# Allegro board FEE5_10_30.brd (continued)
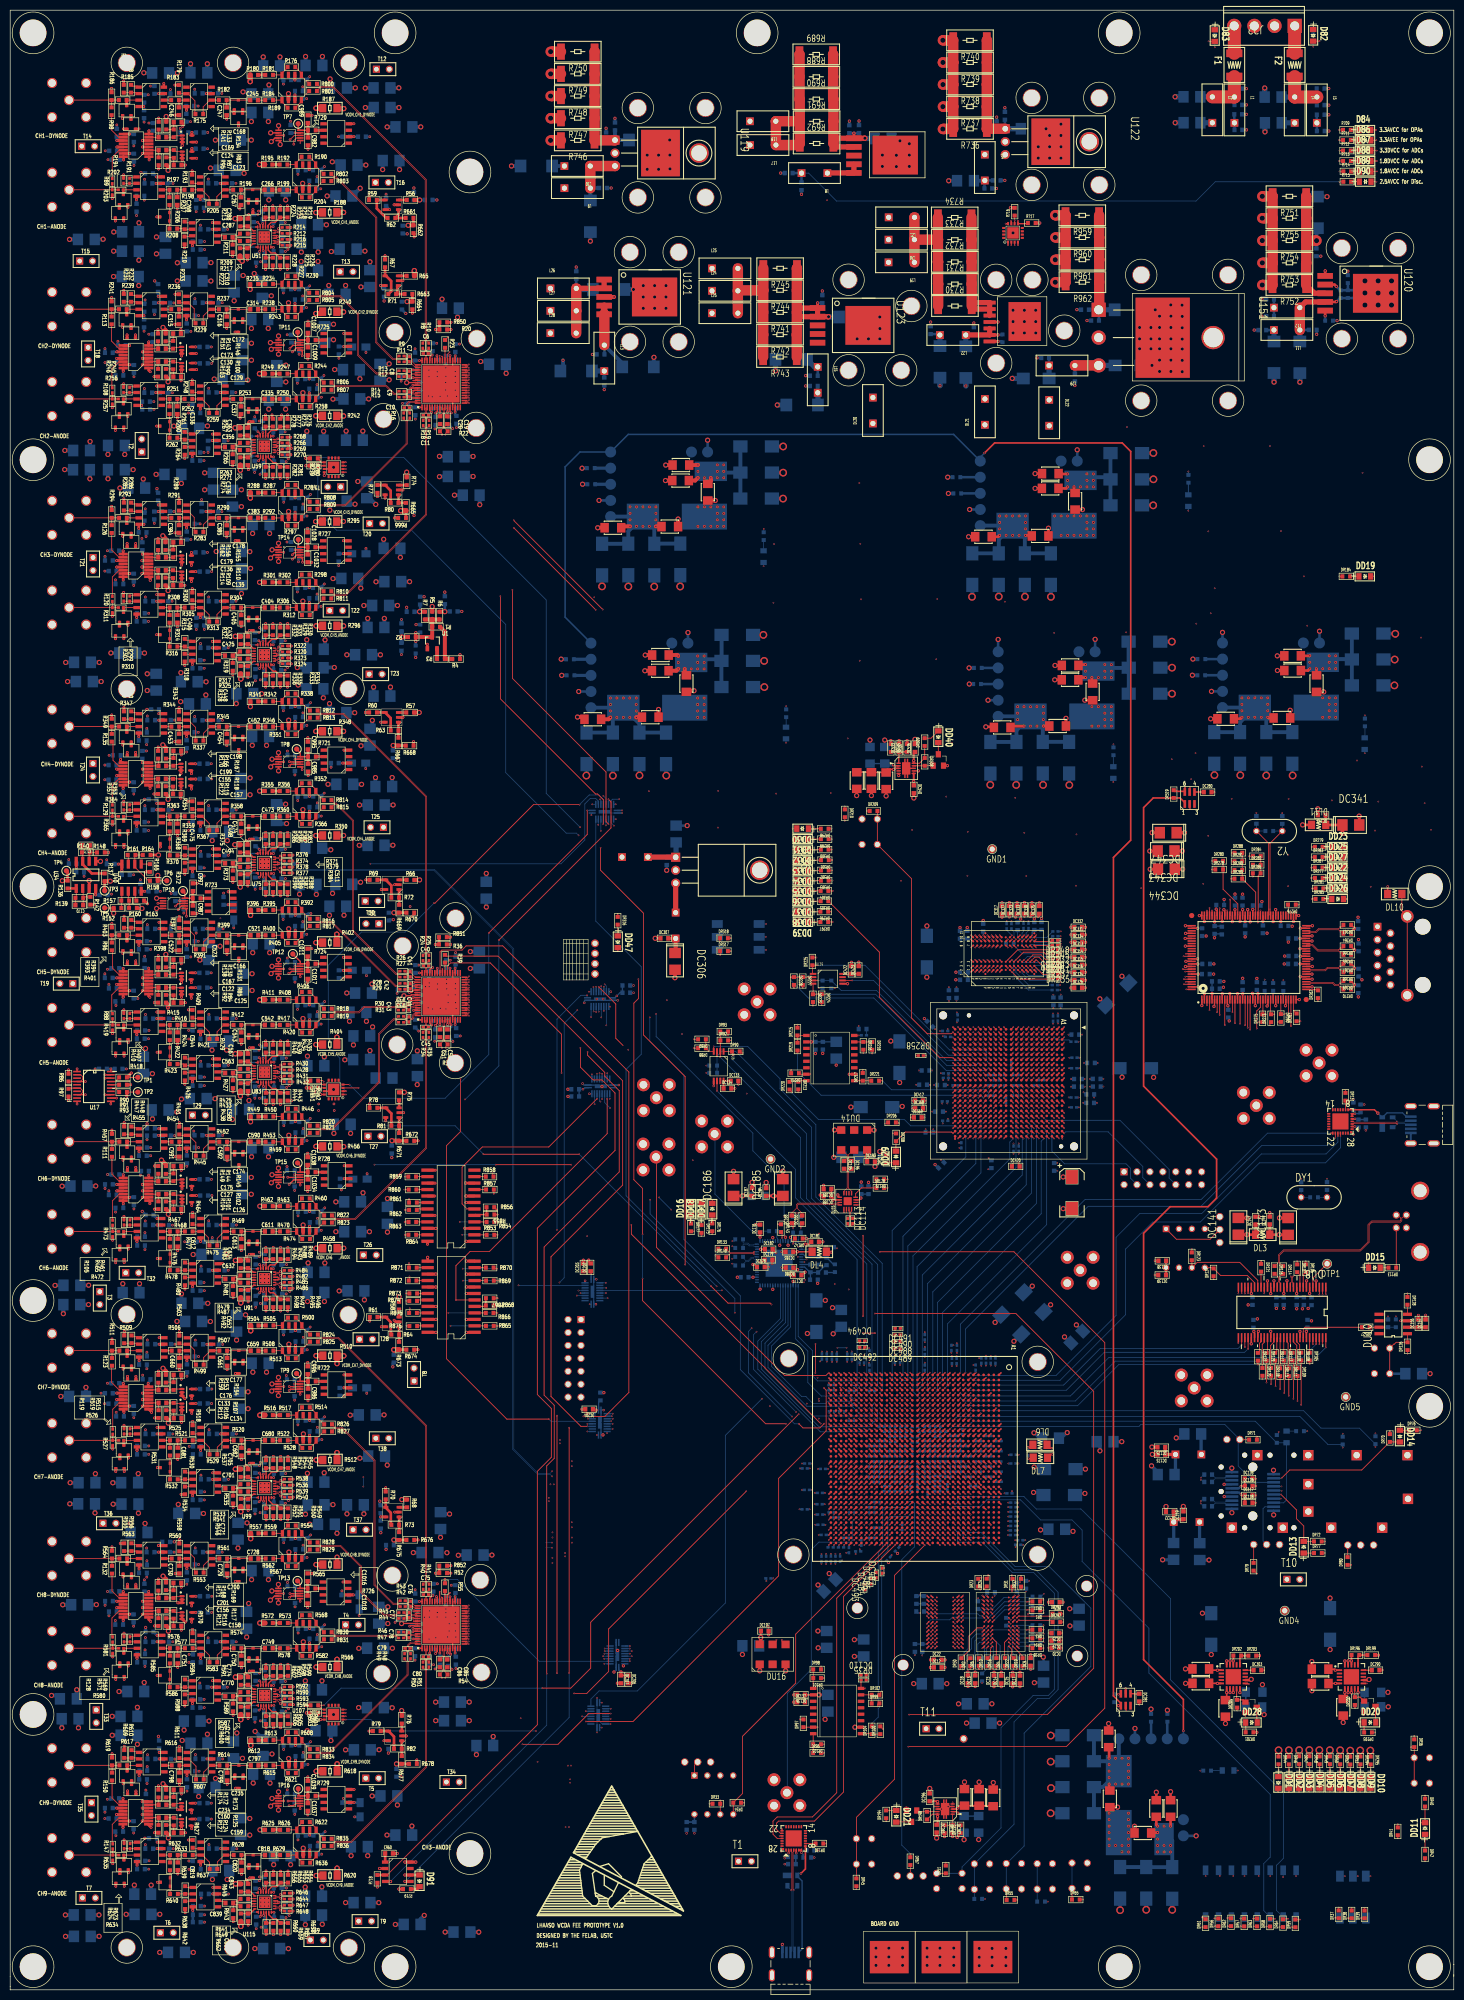
[diagram p0: board, top side]
## Routing (per net, layer and track width the routed paths; a pad name or vN(x,y) marks a point on that pad's centre or on a via; arc(x,y) is an arc through that point) (continued)
PULSE_DYNODE_CH1: length 3.4
  TOP w0.152: U18.7 29.13,363.77 C169.2 29.15,365.27 R141.2
PULSE_DYNODE_CH2: length 3.3
  TOP w0.152: R151.2 29.06,323.68 C173.1 27.23,322.26 U22.7
PULSE_DYNODE_CH3: length 3.3
  TOP w0.152: U28.7 27.23,281.29 C179.1 29.08,282.71 R162.2
PULSE_DYNODE_CH4: length 3.4
  TOP w0.152: U30.7 27.22,240.34 C199.1 29.12,241.69 R170.2
PULSE_DYNODE_CH5: length 3.3
  TOP w0.152: U14.7 27.23,199.35 C167.1 29.09,200.77 R138.2
PULSE_DYNODE_CH6: length 3.3
  TOP w0.152: R149.2 29.08,160.22 C175.1 29.08,158.78 U23.7
PULSE_DYNODE_CH7: length 3.3
  TOP w0.152: 29.12,117.81 C176.1 ; 29.12,117.81 29.11,117.81 R159.2 ; 29.12,117.81 U26.7
PULSE_DYNODE_CH8: length 3.4
  TOP w0.152: U31.7 29.14,76.94 C201.1 29.14,78.35 R171.2
PULSE_DYNODE_CH9: length 3.4
  TOP w0.152: R174.2 29.15,37.75 C234.1 27.19,36.33 U36.7
REFB_ADC1: length 5.4
  TOP w0.254: v3(79.1,315.07) 79.11,315.08 U2.57
  BOTTOM w0.254: v3(79.1,315.07) 79.12,315.09 79.81,315.09 C13.1 81.78,315.65 C14.1 83.19,315.66 C15.2
REFB_ADC2: length 5.8
  TOP w0.254: v3(79.12,194.82) 79.13,194.83 U3.57
  BOTTOM w0.254: C47.1 79.68,195.38 v3(79.12,194.82)
  BOTTOM w0.508: C49.2 83.71,195.37 C48.1 82.28,195.38 C47.1
REFB_ADC3: length 7.4
  TOP w0.254: v3(78.46,71.41) 78.57,71.51 79.31,71.51 79.4,71.43 80.04,71.43 U4.57
  BOTTOM w0.254: v3(78.46,71.41) 78.67,71.62 80.83,71.62 C82.1
  BOTTOM w0.508: C82.1 82.51,71.88 C83.1 83.93,71.88 C84.2
REFIN+: length 4.4
  TOP w0.102: DC166.1 155.32,150.26 v1(155.32,149.61)
  BOTTOM w0.102: DU13.64 154.8,148.17 DR135.2 v1(155.32,149.61) DC167.2
REFIN-: length 4.5
  TOP w0.102: v1(153.79,149.59) 153.79,150.27 DC168.1
  BOTTOM w0.102: DU13.63 154.3,148.17 DR135.1 v1(153.79,149.59) DC169.2
REFMON: length 24.4
  TOP w0.152: v1(135.79,155.09) 135.8,155.09 DD18.2
  S4 w0.152: v1(154.86,145.92) 154.52,145.59 148.22,145.59 143.74,150.07 140.82,150.07 v1(135.79,155.09)
  BOTTOM w0.152: DU13.2 v1(154.86,145.92)
REFT_ADC1: length 6.1
  TOP w0.254: v3(78.68,314.55) 78.71,314.55 78.87,314.55 78.88,314.54 80.02,314.54 U2.58
  BOTTOM w0.254: v3(78.68,314.55) 78.71,314.52 79.97,314.52 C13.2 81.78,314.12 C14.2 81.8,314.14 C12.2
REFT_ADC2: length 7.4
  TOP w0.254: U3.58 80,194.27 78.73,194.27 v3(78.42,194.59)
  BOTTOM w0.254: C47.2 80.47,194.26 78.93,194.26 78.88,194.31 78.69,194.31 v3(78.42,194.59)
  BOTTOM w0.508: C47.2 82.28,193.86 C48.2 83.71,193.85 C46.2
REFT_ADC3: length 6.1
  TOP w0.254: v3(79.1,70.98) 79.11,70.98 79.17,70.92 80.04,70.92 U4.58
  BOTTOM w0.254: v3(79.1,70.98) 80.47,70.98 C82.2
  BOTTOM w0.508: C81.2 83.82,70.36 C83.2 82.51,70.36 C82.2
RX_+3.3VP_0: length 8.4
  TOP w0.305: v2(241.78,97.28) 241.99,97.07 DC117.1 242.54,95.66 DC118.1
  BOTTOM w0.406: v2(241.78,97.28) 241.41,97.65 DU5.15
  BOTTOM w0.635: DC121.1 233.64,87.73 DL1.1
S6_A7_CLK: length 61
  TOP w0.152: DU4.W5 v1(175.79,117.19) ; DU37.T19 v1(191.2,170.18)
  S3 w0.152: v1(175.79,117.19) 175.32,117.65 175.32,146.14 190.69,161.51 190.69,169.67 v1(191.2,170.18)
S6_CCLK: length 37.1
  TOP w0.152: DU37.Y20 v1(187.2,169.18) ; DU38.16 v1(166.69,187.4)
  S4 w0.152: v1(187.2,169.18) 186.77,168.75 184.95,168.75 184.54,168.34 174.95,168.34 166.69,176.6 v1(166.69,187.4)
  BOTTOM w0.152: v1(166.69,187.4) 167.16,187.4 DR212.2
S6_CLK_125M_N: length 37.2
  TOP w0.102: v1(166.7,154.6) 166.68,154.62 DU15.6 ; DU37.AB12 v1(185.2,177.18)
  S1 w0.102: v1(166.7,154.6) 166.77,154.6 166.9,154.48 172.48,154.48 176.93,158.93 176.93,170.37 183.34,176.77 185.49,176.77 185.6,176.89 185.6,177.07 185.5,177.18 v1(185.2,177.18)
  BOTTOM w0.102: DR222.2 185.2,177.59 v1(185.2,177.18)
S6_CLK_125M_P: length 37.4
  TOP w0.102: DU15.5 166.64,154.12 v1(166.7,154.17) ; DU37.AA12 v1(186.2,177.18)
  S1 w0.102: v1(166.7,154.17) 166.81,154.17 166.9,154.26 172.57,154.26 177.15,158.84 177.15,170.28 183.43,176.56 185.58,176.56 v1(186.2,177.18)
  BOTTOM w0.102: DR222.1 186.2,177.59 v1(186.2,177.18)
S6_DDR3_ADDR0: length 25.3
  TOP w0.152: DU40.N3 v1(199.16,202.26) ; DU37.K2 v1(198.06,188.04)
  S5 w0.152: v1(199.16,202.26) 199.84,202.93 200.78,202.93 201.18,202.53 201.18,192.29 198.61,189.72 198.61,188.59 v1(198.06,188.04)
  BOTTOM w0.152: v1(199.16,202.26) 199.18,202.26 199.8,202.89 204.52,202.89 DR252.1
S6_DDR3_ADDR1: length 24.3
  TOP w0.152: DU40.P7 v1(199.96,204.68) ; DU37.K1 v1(198.06,189.04)
  S3 w0.152: v1(198.06,189.04) 197.16,189.94 197.16,202.94 198.06,203.85 199.14,203.85 v1(199.96,204.68)
  BOTTOM w0.152: DR241.1 204.66,205.92 204.03,205.28 200.57,205.28 v1(199.96,204.68)
S6_DDR3_ADDR2: length 25.2
  TOP w0.152: DU37.K5 v1(198.06,185.04) ; DU40.P3 v1(199.96,202.26) 200.92,203.22 202.51,203.22 203.41,202.31 DR251.1
  S4 w0.152: v1(199.96,202.26) 199.58,201.87 199.58,185.73 199.34,185.49 198.51,185.49 v1(198.06,185.04)
S6_DDR3_ADDR3: length 27.5
  TOP w0.152: DU37.M6 v1(195.2,184.04) ; DU40.N2 v1(199.16,200.68)
  S5 w0.152: v1(199.16,200.68) 198.78,200.29 197.99,200.29 197.61,199.91 197.61,184.58 197.46,184.43 195.58,184.43 v1(195.2,184.04)
  BOTTOM w0.152: v1(199.16,200.68) 199.17,200.68 199.58,200.26 199.58,199.66 200.07,199.17 DR240.1
S6_DDR3_ADDR4: length 26.7
  TOP w0.152: DU37.H3 v1(200.06,187.04) ; DU40.P8 v1(199.96,206.26)
  S1 w0.152: v1(199.96,206.26) 199.55,205.85 199.55,193.14 200.58,192.11 200.58,187.56 v1(200.06,187.04)
  BOTTOM w0.152: DR250.1 203.64,206.65 200.34,206.65 199.96,206.27 v1(199.96,206.26)
S6_DDR3_ADDR5: length 24.6
  TOP w0.152: DU37.M3 v1(195.2,187.04) ; DU40.P2 v1(199.96,200.68)
  S5 w0.152: v1(195.2,187.04) 196.38,188.22 196.38,201.09 196.59,201.3 199.34,201.3 v1(199.96,200.68)
  BOTTOM w0.152: v1(199.96,200.68) 200.37,200.27 204.63,200.27 DR239.1
S6_DDR3_ADDR6: length 29.5
  TOP w0.152: DU40.R8 v1(200.76,206.26) ; DU37.L4 v1(197.06,186.04)
  S4 w0.152: v1(197.06,186.04) 197.58,186.56 197.58,190.71 197.15,191.14 197.15,205.16 197.84,205.85 200.35,205.85 200.5,206 200.5,206 v1(200.76,206.26)
  BOTTOM w0.152: v1(200.76,206.26) 201.3,205.72 203.63,205.72 DR249.1
S6_DDR3_ADDR7: length 25.4
  TOP w0.152: DU37.K6 v1(198.06,184.04) ; DU40.R2 v1(200.76,200.68)
  S4 w0.152: v1(200.76,200.68) 201.16,200.28 201.16,190.19 201.59,189.76 201.59,184.75 201.33,184.5 198.52,184.5 v1(198.06,184.04)
  BOTTOM w0.152: DR238.1 201.24,201.15 v1(200.76,200.68)
S6_DDR3_ADDR8: length 24.8
  TOP w0.152: DR248.1 204.51,205.87 DU40.T8 v1(201.56,206.26) ; DU37.G3 v1(201.06,187.04)
  S4 w0.152: v1(201.56,206.26) 200.36,205.05 200.36,190.13 200.59,189.9 200.59,187.51 v1(201.06,187.04)
S6_DDR3_ADDR9: length 24.8
  TOP w0.152: DU40.R3 v1(200.76,202.26) 201.28,202.77 202.09,202.77 203.5,201.36 DR237.1 ; DU37.G1 v1(201.06,189.04)
  S1 w0.152: v1(201.06,189.04) 201.69,189.67 201.69,193.64 201.54,193.79 201.07,193.79 200.92,193.94 200.92,194.25 201.07,194.4 201.54,194.4 201.69,194.55 201.69,194.86 201.54,195.01 201.07,195.01 200.92,195.16 200.92,195.47 201.07,195.62 201.54,195.62 201.69,195.77 201.69,196.08 201.54,196.23 201.07,196.23 200.92,196.38 200.92,196.69 201.07,196.84 201.54,196.84 201.69,196.99 201.69,197.29 201.54,197.45 201.07,197.45 200.92,197.6 200.92,197.9 201.07,198.06 201.54,198.06 201.98,198.5 201.98,201.05 v1(200.76,202.26)
S6_DDR3_ADDR10: length 28.4
  TOP w0.152: DU37.J4 v1(199.06,186.04) ; DU40.L7 v1(197.56,204.68)
  S1 w0.152: v1(199.06,186.04) 198.52,186.58 198.52,189.62 197.97,190.18 197.97,204.28 v1(197.56,204.68)
  BOTTOM w0.152: v1(197.56,204.68) 198.8,203.44 204.02,203.44 204.61,204.02 DR247.1
S6_DDR3_ADDR11: length 23.2
  TOP w0.152: DU37.E1 v1(203.06,189.04) ; DU40.R7 v1(200.76,204.68)
  S4 w0.152: v1(200.76,204.68) 204.18,201.26 204.18,190.16 v1(203.06,189.04)
  BOTTOM w0.152: DR236.1 204.63,204.97 203.88,204.22 201.22,204.22 v1(200.76,204.68)
S6_DDR3_ADDR12: length 22.7
  TOP w0.152: DU37.F1 v1(202.06,189.04) ; DU40.N7 v1(199.16,204.68)
  S5 w0.152: v1(199.16,204.68) 200.07,203.77 201.18,203.77 202.06,202.89 v1(202.06,189.04)
  BOTTOM w0.152: DR246.1 199.06,207.83 198.77,207.53 198.77,205.08 v1(199.16,204.68)
S6_DDR3_ADDR13: length 26.9
  TOP w0.152: DU37.J6 v1(199.06,184.04) ; DU40.T3 v1(201.56,202.26) 203.44,200.39 DR235.1
  S1 w0.152: v1(201.56,202.26) 202.65,201.18 202.65,184.87 202.29,184.51 199.53,184.51 v1(199.06,184.04)
S6_DDR3_ADDR14: length 28.4
  TOP w0.152: DU37.H5 v1(200.06,185.04) ; DR245.1 204.64,205.07 DU40.T7 v1(201.56,204.68)
  S5 w0.152: v1(201.56,204.68) 203.63,202.61 203.63,185.76 203.48,185.6 200.62,185.6 v1(200.06,185.04)
S6_DDR3_BA0: length 28.1
  TOP w0.152: DU37.J3 v1(199.06,187.04) ; DU40.M2 v1(198.36,200.68)
  S4 w0.152: v1(199.06,187.04) 198.55,187.55 198.55,194.45 198.4,194.6 198.06,194.6 197.91,194.75 197.91,195.06 198.06,195.21 198.6,195.21 198.76,195.36 198.76,195.67 198.6,195.82 198.06,195.82 197.91,195.97 197.91,196.28 198.06,196.43 198.6,196.43 198.76,196.58 198.76,196.89 198.6,197.04 198.06,197.04 197.91,197.19 197.91,197.5 198.06,197.65 198.6,197.65 198.76,197.8 198.76,198.11 198.6,198.26 198.06,198.26 197.91,198.41 197.91,198.72 198.06,198.87 198.6,198.87 198.76,199.02 198.76,200.29 v1(198.36,200.68)
  BOTTOM w0.152: v1(198.36,200.68) 198.37,200.68 198.77,200.27 198.77,199.66 200.22,198.21 DR234.1
S6_DDR3_BA1: length 21.2
  TOP w0.152: DU37.J1 v1(199.06,189.04) ; DU40.N8 v1(199.16,206.26)
  S1 w0.152: v1(199.16,206.26) 198.77,205.87 198.77,192.68 199.06,192.4 v1(199.06,189.04)
  BOTTOM w0.152: v1(199.16,206.26) 199.57,206.66 199.57,207.52 200.03,207.98 DR244.1
S6_DDR3_BA2: length 26
  TOP w0.152: DU40.M3 v1(198.36,202.26) ; DU37.H1 v1(200.06,189.04)
  S3 w0.152: v1(198.36,202.26) 199.15,201.48 200.13,201.48 200.35,201.26 200.35,197.75 200.5,197.59 201.23,197.59 201.38,197.44 201.38,197.14 201.23,196.98 200.5,196.98 200.35,196.83 200.35,196.53 200.5,196.38 201.23,196.38 201.38,196.22 201.38,195.92 201.23,195.77 200.5,195.77 200.35,195.61 200.35,189.33 v1(200.06,189.04)
  BOTTOM w0.152: DR233.1 204.59,202.07 204.27,201.75 198.87,201.75 v1(198.36,202.26)
S6_DDR3_CAS_N: length 30.4
  TOP w0.152: DU40.K3 v1(196.76,202.26) ; DU37.M4 v1(195.2,186.04)
  S4 w0.152: v1(195.2,186.04) 194.66,186.58 194.66,198.79 195.3,199.43 195.3,200.79 v1(196.76,202.26)
  BOTTOM w0.152: DR242.1 200.05,196.32 197.16,199.21 197.16,201.86 196.76,202.25 v1(196.76,202.26)
S6_DDR3_CKE: length 27.3
  TOP w0.152: DU40.K9 v1(196.76,207.06) ; DU37.F2 v1(202.06,188.04)
  S3 w0.152: v1(196.76,207.06) 197.15,206.67 201.87,206.67 202.6,205.95 202.6,188.58 v1(202.06,188.04)
  BOTTOM w0.152: v1(196.76,207.06) 195.74,208.09 DR254.2
S6_DDR3_CLK_N: length 23
  TOP w0.102: DU37.K3 v1(198.06,187.04)
  TOP w0.152: DU40.K7 v1(196.76,204.68)
  S1 w0.102: v1(198.06,187.04) 197.66,186.65 196.42,186.65 196.09,186.98 196.09,191.03 195.29,191.82 195.29,202.48 196.33,203.52 196.33,204.25 v1(196.76,204.68)
  BOTTOM w0.102: DR253.2 196.76,205.12 v1(196.76,204.68)
S6_DDR3_CLK_P: length 23.3
  TOP w0.102: DU37.K4 v1(198.06,186.04)
  TOP w0.152: DU40.J7 v1(195.96,204.68)
  S1 w0.102: v1(195.96,204.68) 195.96,204.55 196.12,204.39 196.12,203.61 195.08,202.56 195.08,191.73 195.87,190.94 195.87,186.89 196.33,186.43 197.67,186.43 v1(198.06,186.04)
  BOTTOM w0.102: DR253.1 195.96,205.11 v1(195.96,204.68)
S6_DDR3_DQ0: length 19.4
  TOP w0.152: DU37.R3 v1(192.2,187.04) ; DU40.E3 v1(191.98,202.26)
  S2 w0.152: v1(192.2,187.04) 191.72,187.51 191.72,194.8 191.41,195.11 190.88,195.11 190.73,195.26 190.73,195.57 190.88,195.72 191.41,195.72 191.56,195.87 191.56,196.18 191.41,196.33 190.88,196.33 190.73,196.48 190.73,196.79 190.88,196.94 191.41,196.94 191.56,197.09 191.56,201.85 v1(191.98,202.26)
S6_DDR3_DQ1: length 19.7
  TOP w0.152: DU40.F7 v1(192.78,204.68) ; DU37.M1 v1(195.2,189.04)
  S2 w0.152: v1(192.78,204.68) 194.25,203.21 195.9,203.21 196.36,202.74 196.36,190.21 v1(195.2,189.04)
S6_DDR3_DQ2: length 20.2
  TOP w0.152: DU40.F2 v1(192.78,200.68) ; DU37.P1 v1(193.2,189.04)
  S5 w0.152: v1(193.2,189.04) 192.33,189.91 192.33,196.11 192.48,196.26 193.91,196.26 194.06,196.42 194.06,196.72 193.91,196.87 192.48,196.87 192.33,197.03 192.33,197.33 192.48,197.48 193.91,197.48 194.06,197.64 194.06,197.94 193.91,198.09 192.48,198.09 192.33,198.25 192.33,198.55 192.48,198.7 193.04,198.7 193.2,198.85 193.2,200.26 v1(192.78,200.68)
S6_DDR3_DQ3: length 18.6
  TOP w0.152: DU37.R1 v1(192.2,189.04) ; DU40.F8 v1(192.78,206.26)
  S2 w0.152: v1(192.78,206.26) 192.76,206.26 192.4,205.9 192.4,189.24 v1(192.2,189.04)
S6_DDR3_DQ4: length 19.4
  TOP w0.152: DU40.H3 v1(194.38,202.26) ; DU37.M2 v1(195.2,188.04)
  S2 w0.152: v1(194.38,202.26) 195.41,201.23 195.41,198.58 195.26,198.42 194.91,198.42 194.76,198.27 194.76,197.97 194.91,197.81 195.26,197.81 195.41,197.66 195.41,197.36 195.26,197.21 194.91,197.21 194.76,197.05 194.76,196.75 194.91,196.6 195.26,196.6 195.41,196.44 195.41,196.14 195.26,195.99 194.91,195.99 194.76,195.83 194.76,195.53 194.91,195.38 195.26,195.38 195.41,195.22 195.41,194.92 195.26,194.77 194.91,194.77 194.75,194.61 194.75,188.48 v1(195.2,188.04)
S6_DDR3_DQ5: length 21.7
  TOP w0.152: DU37.L1 v1(197.06,189.04) ; DU40.H8 v1(194.38,206.26)
  S2 w0.152: v1(194.38,206.26) 194.98,205.66 197.45,205.66 197.97,205.14 197.97,189.95 v1(197.06,189.04)
S6_DDR3_DQ6: length 19.8
  TOP w0.152: DU37.P2 v1(193.2,188.04) ; DU40.G2 v1(193.58,200.68)
  S2 w0.152: v1(193.2,188.04) 193.78,188.62 193.78,192.57 193.62,192.72 193.37,192.72 193.21,192.87 193.21,193.18 193.37,193.33 193.82,193.33 193.97,193.48 193.97,193.78 193.82,193.94 193.37,193.94 193.21,194.09 193.21,194.39 193.37,194.55 193.82,194.55 193.97,194.7 193.97,195 193.82,195.16 193.37,195.16 193.21,195.31 193.21,195.61 193.37,195.77 193.82,195.77 193.97,195.92 193.97,196.22 193.82,196.38 193.37,196.38 193.21,196.53 193.21,196.83 193.37,196.99 193.82,196.99 193.97,197.14 193.97,197.44 193.82,197.59 193.37,197.59 193.21,197.75 193.21,198.05 193.37,198.2 193.82,198.2 193.97,198.36 193.97,200.24 193.58,200.63 v1(193.58,200.68)
S6_DDR3_DQ7: length 21.2
  TOP w0.152: DU37.L3 v1(197.06,187.04) ; DU40.H7 v1(194.38,204.68)
  S2 w0.152: v1(194.38,204.68) 195.27,203.79 196.54,203.79 197.16,203.17 197.16,190.06 196.51,189.41 196.51,187.59 v1(197.06,187.04)
  S4 w0.152: v1(197.06,187.04) 197.1,187.04
S6_DDR3_DQ8: length 20.2
  TOP w0.152: DU40.D7 v1(191.18,204.68) ; DU37.W1 v1(188.2,189.04)
  S3 w0.152: v1(191.18,204.68) 190.32,203.81 189.07,203.81 187.78,202.53 187.78,193.81 189.47,192.12 189.47,190.32 v1(188.2,189.04)
S6_DDR3_DQ9: length 20.5
  TOP w0.152: DU40.C3 v1(190.38,202.26) ; DU37.T2 v1(191.2,188.04)
  S3 w0.152: v1(191.2,188.04) 191.63,188.48 193.46,188.48 193.73,188.75 193.73,189.98 193.98,190.22 193.98,201.02 193.29,201.71 190.93,201.71 v1(190.38,202.26)
S6_DDR3_DQ10: length 21.7
  TOP w0.152: DU40.C8 v1(190.38,206.26) ; DU37.Y2 v1(187.2,188.04)
  S5 w0.152: v1(190.38,206.26) 189.61,205.49 188.63,205.49 186.74,203.6 186.74,188.5 v1(187.2,188.04)
S6_DDR3_DQ11: length 20.3
  TOP w0.152: DU40.C2 v1(190.38,200.68) ; DU37.U1 v1(190.2,189.04)
  S3 w0.152: v1(190.38,200.68) 190.78,200.27 190.78,198.49 190.94,198.34 191.87,198.34 192.02,198.19 192.02,197.88 191.87,197.73 190.94,197.73 190.78,197.58 190.78,197.28 190.94,197.12 191.87,197.12 192.02,196.97 192.02,196.67 191.87,196.51 190.94,196.51 190.78,196.36 190.78,196.06 190.94,195.9 191.87,195.9 192.02,195.75 192.02,195.45 191.87,195.29 190.94,195.29 190.78,195.14 190.78,194.08 191.65,193.21 191.65,190.49 v1(190.2,189.04)
S6_DDR3_DQ12: length 19.9
  TOP w0.152: DU40.A7 v1(188.78,204.68) ; DU37.W3 v1(188.2,187.04)
  S3 w0.152: v1(188.78,204.68) 187.19,203.09 187.19,190.74 187.7,190.22 187.7,187.53 v1(188.2,187.04)
S6_DDR3_DQ13: length 20.7
  TOP w0.152: DU40.A2 v1(188.78,200.68) ; DU37.U3 v1(190.2,187.04)
  S3 w0.152: v1(190.2,187.04) 189.75,187.48 189.75,189.59 190.54,190.37 190.54,192.79 189.19,194.14 189.19,195.15 189.34,195.3 190,195.3 190.15,195.46 190.15,195.76 190,195.91 189.34,195.91 189.19,196.07 189.19,196.37 189.34,196.52 190,196.52 190.15,196.68 190.15,196.98 190,197.13 189.34,197.13 189.19,197.29 189.19,197.59 189.34,197.74 190,197.74 190.15,197.89 190.15,198.2 190,198.35 189.34,198.35 189.19,198.5 189.19,200.27 v1(188.78,200.68)
S6_DDR3_DQ14: length 20.4
  TOP w0.152: DU40.B8 v1(189.58,206.26) ; DU37.Y1 v1(187.2,189.04)
  S3 w0.152: v1(189.58,206.26) 188.85,205.53 188.1,205.53 186.51,203.94 186.51,189.72 v1(187.2,189.04)
S6_DDR3_DQ15: length 18.8
  TOP w0.152: DU40.A3 v1(188.78,202.26) ; DU37.T1 v1(191.2,189.04)
  S3 w0.152: v1(188.78,202.26) 188.78,202.26 189.88,201.17 192.94,201.17 193.2,200.91 193.2,191.04 v1(191.2,189.04)
S6_DDR3_DQS_N: length 20.5
  TOP w0.102: DU37.N1 v1(194.2,189.04)
  TOP w0.152: DU40.G3 v1(193.58,202.26)
  S5 w0.102: v1(193.58,202.26) 193.29,202.55 193.29,202.77 193.41,202.89 194.88,202.89 195.22,202.55 195.22,191.42 194.62,190.82 194.62,188.66 194.47,188.5 194.02,188.5 193.78,188.27 193.59,188.27 193.46,188.4 193.46,188.59 193.91,189.04 v1(194.2,189.04)
S6_DDR3_DQS_P: length 20.7
  TOP w0.102: DU37.N3 v1(194.2,187.04)
  TOP w0.152: DU40.F3 v1(192.78,202.26)
  S5 w0.102: v1(192.78,202.26) 193.07,202.55 193.07,202.86 193.32,203.11 194.97,203.11 195.43,202.64 195.43,191.33 194.84,190.73 194.84,187.68 v1(194.2,187.04)
S6_DDR3_LDM: length 22.1
  TOP w0.152: DU40.E7 v1(191.98,204.68) ; DU37.N4 v1(194.2,186.04)
  S5 w0.152: v1(191.98,204.68) 191.59,204.28 191.59,189.46 191.72,189.33 191.72,186.8 192.02,186.49 193.74,186.49 v1(194.2,186.04)
S6_DDR3_ODT: length 28.7
  TOP w0.152: DU37.L6 v1(197.06,184.04) ; DR256.2 198.18,198.48 196.78,199.88 v1(196.76,199.88) DU40.K1
  S4 w0.152: v1(196.76,199.88) 196.22,199.34 196.22,197.94 196.07,197.78 195.56,197.78 195.41,197.63 195.41,197.33 195.56,197.17 196.07,197.17 196.22,197.02 196.22,196.72 196.07,196.56 195.56,196.56 195.41,196.41 195.41,196.11 195.56,195.95 196.07,195.95 196.22,195.8 196.22,184.87 v1(197.06,184.04)
S6_DDR3_RAS_N: length 30.5
  TOP w0.152: DU37.M5 v1(195.2,185.04) ; DR232.1 197.92,204.22 v1(195.96,202.26) DU40.J3
  S4 w0.152: v1(195.2,185.04) 194.72,185.52 194.03,185.52 193.71,185.84 193.71,190.09 193.98,190.37 193.98,201.28 194.41,201.7 195.41,201.7 v1(195.96,202.26)
S6_DDR3_RST: length 22.4
  TOP w0.152: DU40.T2 v1(201.56,200.68) 202.84,199.4 DR255.2 ; DU37.E3 v1(203.06,187.04)
  S4 w0.152: v1(201.56,200.68) 202.64,199.6 202.64,198.51 202.79,198.36 203.21,198.36 203.36,198.2 203.36,197.9 203.21,197.75 202.79,197.75 202.64,197.59 202.64,197.29 202.79,197.14 203.21,197.14 203.36,196.99 203.36,196.68 203.21,196.53 202.79,196.53 202.64,196.38 202.64,196.07 202.79,195.92 203.21,195.92 203.36,195.77 203.36,195.46 203.21,195.31 202.79,195.31 202.64,195.16 202.64,187.46 v1(203.06,187.04)
S6_DDR3_RZQ: length 13.6
  TOP w0.152: DU37.R7 v1(192.2,183.04) ; v1(179.88,183.48) 179.42,183.48 DR258.1
  S2 w0.152: v1(179.88,183.48) 179.89,183.47 191.81,183.47 192.2,183.08 v1(192.2,183.04)
S6_DDR3_UDM: length 22.2
  TOP w0.152: DU40.D3 v1(191.18,202.26) ; DU37.P3 v1(193.2,187.04)
  S3 w0.152: v1(191.18,202.26) 191.95,203.03 194.57,203.03 194.88,202.73 194.88,190.13 194.7,189.95 194.7,187.7 194.54,187.55 193.71,187.55 v1(193.2,187.04)
S6_DDR3_UDQS_N: length 20.4
  TOP w0.102: DU37.V1 v1(189.2,189.04)
  TOP w0.152: DU40.B7 v1(189.58,204.68)
  S2 w0.102: v1(189.58,204.68) 189.87,204.38 189.87,203.68 189.77,203.58 188.76,203.58 187.77,202.59 187.77,198.22 188.89,197.1 188.89,192.87 189.61,192.15 189.61,188.83 189.41,188.63 189.19,188.63 189.06,188.76 189.06,188.9 v1(189.2,189.04)
S6_DDR3_UDQS_P: length 20.4
  TOP w0.102: DU37.V2 v1(189.2,188.04)
  TOP w0.152: DU40.C7 v1(190.38,204.68)
  S2 w0.102: v1(189.2,188.04) 189.2,188.1 189.83,188.74 189.82,192.24 189.1,192.96 189.1,197.19 187.99,198.31 187.99,202.5 188.85,203.37 189.86,203.37 190.09,203.59 190.09,204.38 v1(190.38,204.68)
S6_DDR3_WE_N: length 26.9
  TOP w0.152: DU37.H2 v1(200.06,188.04) ; DU40.L3 v1(197.56,202.26) 199.05,203.75 203.06,203.75 203.54,203.27 DR243.1
  S3 w0.152: v1(197.56,202.26) 197.61,202.26 198.75,201.12 198.75,197.79 198.91,197.64 199.38,197.64 199.53,197.49 199.53,197.18 199.38,197.03 198.91,197.03 198.75,196.88 198.75,196.57 198.91,196.42 199.38,196.42 199.53,196.27 199.53,195.96 199.38,195.81 198.91,195.81 198.75,195.66 198.75,190.62 199.61,189.77 199.61,188.49 v1(200.06,188.04)
S6_DDRS_CS_B: length 9.6
  TOP w0.152: DU40.L2 v1(197.56,200.68)
  BOTTOM w0.152: v1(197.56,200.68) 197.56,199.8 200.06,197.3 DR257.2
S6_DDRS_ZQ: length 3
  TOP w0.152: DU40.L8 v1(197.56,206.26)
  BOTTOM w0.152: DR231.2 196.69,208.24 197.19,207.74 197.19,206.64 v1(197.56,206.26)
S6_DONE: length 14.6
  TOP w0.152: DU37.AB21 v1(185.2,168.18) 184.94,168.43 175.82,168.43 DR208.2 174,166.62 DD29.2
S6_FLASH_D0: length 26.8
  TOP w0.152: DR218.2 v1(169.32,183.86) ; DU37.AB20 v1(185.2,169.18)
  S4 w0.152: v1(169.32,183.86) 169.32,177.92 177.61,169.63 184.74,169.63 v1(185.2,169.18)
S6_FLASH_D1: length 37
  TOP w0.152: v1(153.47,176.21) 153.47,176.21 153.47,176.41 DR220.1 ; DU37.AA20 v1(186.2,169.18)
  BOTTOM w0.152: v1(186.2,169.18) 185.73,169.65 176.9,169.65 175.66,170.89 158.8,170.89 v1(153.47,176.21) 153.48,176.21
S6_FLASH_D2: length 23.1
  TOP w0.152: DU37.R13 v1(192.2,176.18) ; DR221.2 v1(171.34,178.51)
  BOTTOM w0.152: v1(192.2,176.18) 191.63,176.74 173.11,176.74 v1(171.34,178.51)
S6_FLASH_D3: length 43.4
  TOP w0.152: DR219.1 154.66,183.88 v1(154.65,183.88) ; DU37.T14 v1(191.2,175.18)
  BOTTOM w0.152: v1(154.65,183.88) 154.65,180.31 159.3,175.66 190.71,175.66 v1(191.2,175.18)
S6_INIT_B: length 57.4
  TOP w0.152: DU37.Y4 v1(187.2,186.04) ; DR210.2 v1(163.96,229.57)
  S4 w0.152: v1(187.2,186.04) 186.77,186.46 181.8,186.46 177.95,190.31 177.95,210.89 163.96,224.88 v1(163.96,229.57)
S6_M0: length 83.3
  TOP w0.152: DR317.1 139.49,203.92 v1(139.49,203.22) ; DU37.AA21 v1(186.2,168.18)
  S5 w0.152: v1(139.49,203.22) 141.25,203.22 141.26,203.22 149.88,203.22 152.51,200.58 152.51,185.72 150.9,184.11 150.9,172.7 155.88,167.72 181.37,167.72 182.42,168.76 185.61,168.76 v1(186.2,168.18)
  BOTTOM w0.152: v1(139.49,203.22) 139.49,203.63 DSW13.1
S6_M1: length 71.5
  TOP w0.152: DU37.Y19 v1(187.2,170.18) ; v1(139.39,205.81) 139.39,206.42 DR318.1
  S5 w0.152: v1(187.2,170.18) 186.75,170.62 175.96,170.62 154.84,191.73 154.84,202.74 151.78,205.81 v1(139.39,205.81)
  BOTTOM w0.152: DSW13.2 139.39,206.28 v1(139.39,205.81)
S6_PROG_B: length 53.6
  TOP w0.152: 170.36,231.48 DR209.2 170.36,229.91 DSW12.3 DSW12.4 177.03,218.21 177.03,190.85 180.15,187.74 184.9,187.74 v1(185.2,188.04) DU37.AB2
S6_QSPI_IC_CS_B: length 35
  TOP w0.152: v1(157.18,179.78) DU38.7 155.15,179.78 DR214.1 ; DU37.AA3 v1(186.2,187.04)
  S2 w0.152: v1(157.18,179.78) 160.22,182.82 172.2,182.82 175.83,186.46 185.61,186.46 v1(186.2,187.04)
S6_SITCP_EEPROM_CS: length 45.9
  TOP w0.152: DU37.R8 v1(192.2,182.04) ; v1(158.47,201.18) DR225.1 157.59,199.62 DU39.1
  BOTTOM w0.152: v1(192.2,182.04) 191.71,182.52 191.71,184.28 191.45,184.54 184.56,184.54 167.91,201.18 v1(158.47,201.18)
S6_SITCP_EEPROM_DI: length 37.8
  TOP w0.152: DU39.3 v1(158.64,198.21) ; DU37.W8 v1(188.2,182.04)
  BOTTOM w0.152: v1(158.64,198.21) 159.57,198.21 DR229.1 159.59,198.19 DR230.1 163.25,196.23 170.18,196.23 183.96,182.46 187.78,182.46 v1(188.2,182.04)
S6_SITCP_EEPROM_DO: length 41.2
  TOP w0.152: v1(160.21,195.49) DR224.1 159.4,195.49 DR223.1 157.72,195.5 DU39.4 ; DU37.U8 v1(190.2,182.04)
  BOTTOM w0.152: v1(160.21,195.49) 170.01,195.49 183.97,181.53 189.69,181.53 v1(190.2,182.04)
S6_SITCP_EEPROM_ORG: length 32.6
  TOP w0.152: DU37.V7 v1(189.2,183.04) ; DU39.6 v1(165.39,198.21)
  BOTTOM w0.152: v1(165.39,198.21) 169.59,198.21 184.26,183.53 188.7,183.53 v1(189.2,183.04)
S6_SITCP_EEPROM_SK: length 52
  TOP w0.152: DU37.R9 v1(192.2,181.04) ; DU39.2 155.7,198.86 DR227.1 153.96,198.85 DR228.1 153.37,198.86 v1(153.35,198.88)
  BOTTOM w0.152: v1(192.2,181.04) 191.69,180.53 183.87,180.53 169.65,194.75 156.8,194.75 153.35,198.21 v1(153.35,198.88)
S6_TCK: length 23.1
  TOP w0.152: DU37.A21 v1(207.06,168.18)
  BOTTOM w0.152: DJ14.6 222.49,159.5 222.49,161.67 215.68,168.48 207.36,168.48 v1(207.06,168.18)
S6_TDI: length 32.9
  TOP w0.152: DU37.E18 v1(203.06,171.18)
  BOTTOM w0.152: v1(203.06,171.18) 203.5,170.74 218.01,170.74 227.66,161.09 227.66,159.4 DJ14.10
S6_TDO: length 32.8
  TOP w0.152: DU37.G17 v1(201.06,172.18)
  S3 w0.152: v1(201.06,172.18) 201.54,171.69 214.52,171.69 225.17,161.04 225.17,159.35 DJ14.8
S6_TMS: length 25.9
  TOP w0.152: DU37.D20 v1(204.06,169.18)
  BOTTOM w0.152: DJ14.4 220.07,159.37 220.07,161.33 219.2,162.2 207.12,162.2 204.64,164.68 204.64,168.6 v1(204.06,169.18)
SCLK_ADC1: length 163
  TOP w0.152: v9(86.35,321.61) 85.9,321.16 85.9,321.15 85.88,321.12 85.88,319.96 U2.38
  S1 w0.152: v1(117.77,174.97) 117.77,181.38 104.32,194.82 104.32,306.13 88.84,321.61 v9(86.35,321.61)
SCLK_ADC1_BUF: length 119.3
  TOP w0.152: DU4.V24 v1(176.79,97.32)
  S2 w0.152: v1(117.28,179.98) 118.28,178.97 118.28,151.1 160.41,108.97 160.41,108.03 160.63,107.8 160.97,107.8 161.21,107.57 177.37,107.57 177.53,107.41 177.53,98.06 v1(176.79,97.32)
  BOTTOM w0.152: DU17.8 v1(117.28,179.98)
SCLK_ADC2: length 112.4
  TOP w0.152: U3.38 85.87,199.72 85.87,200.83 85.87,200.83 85.87,201.01 86.5,201.64 94.31,201.64 108.31,187.64 v1(108.31,180.03)
  S2 w0.152: v1(108.31,180.03) 108.31,142.67 114.37,136.61 114.37,112.39 113.62,111.64 113.29,111.64 112.86,111.21 112.86,110.12 113.33,109.64 v1(113.39,109.64)
  BOTTOM w0.152: v1(113.39,109.64) 114.36,109.64 DU20.12
